# Altium PCB PCIe_to_M2E.PcbDoc (part 3 of 6) (continued)
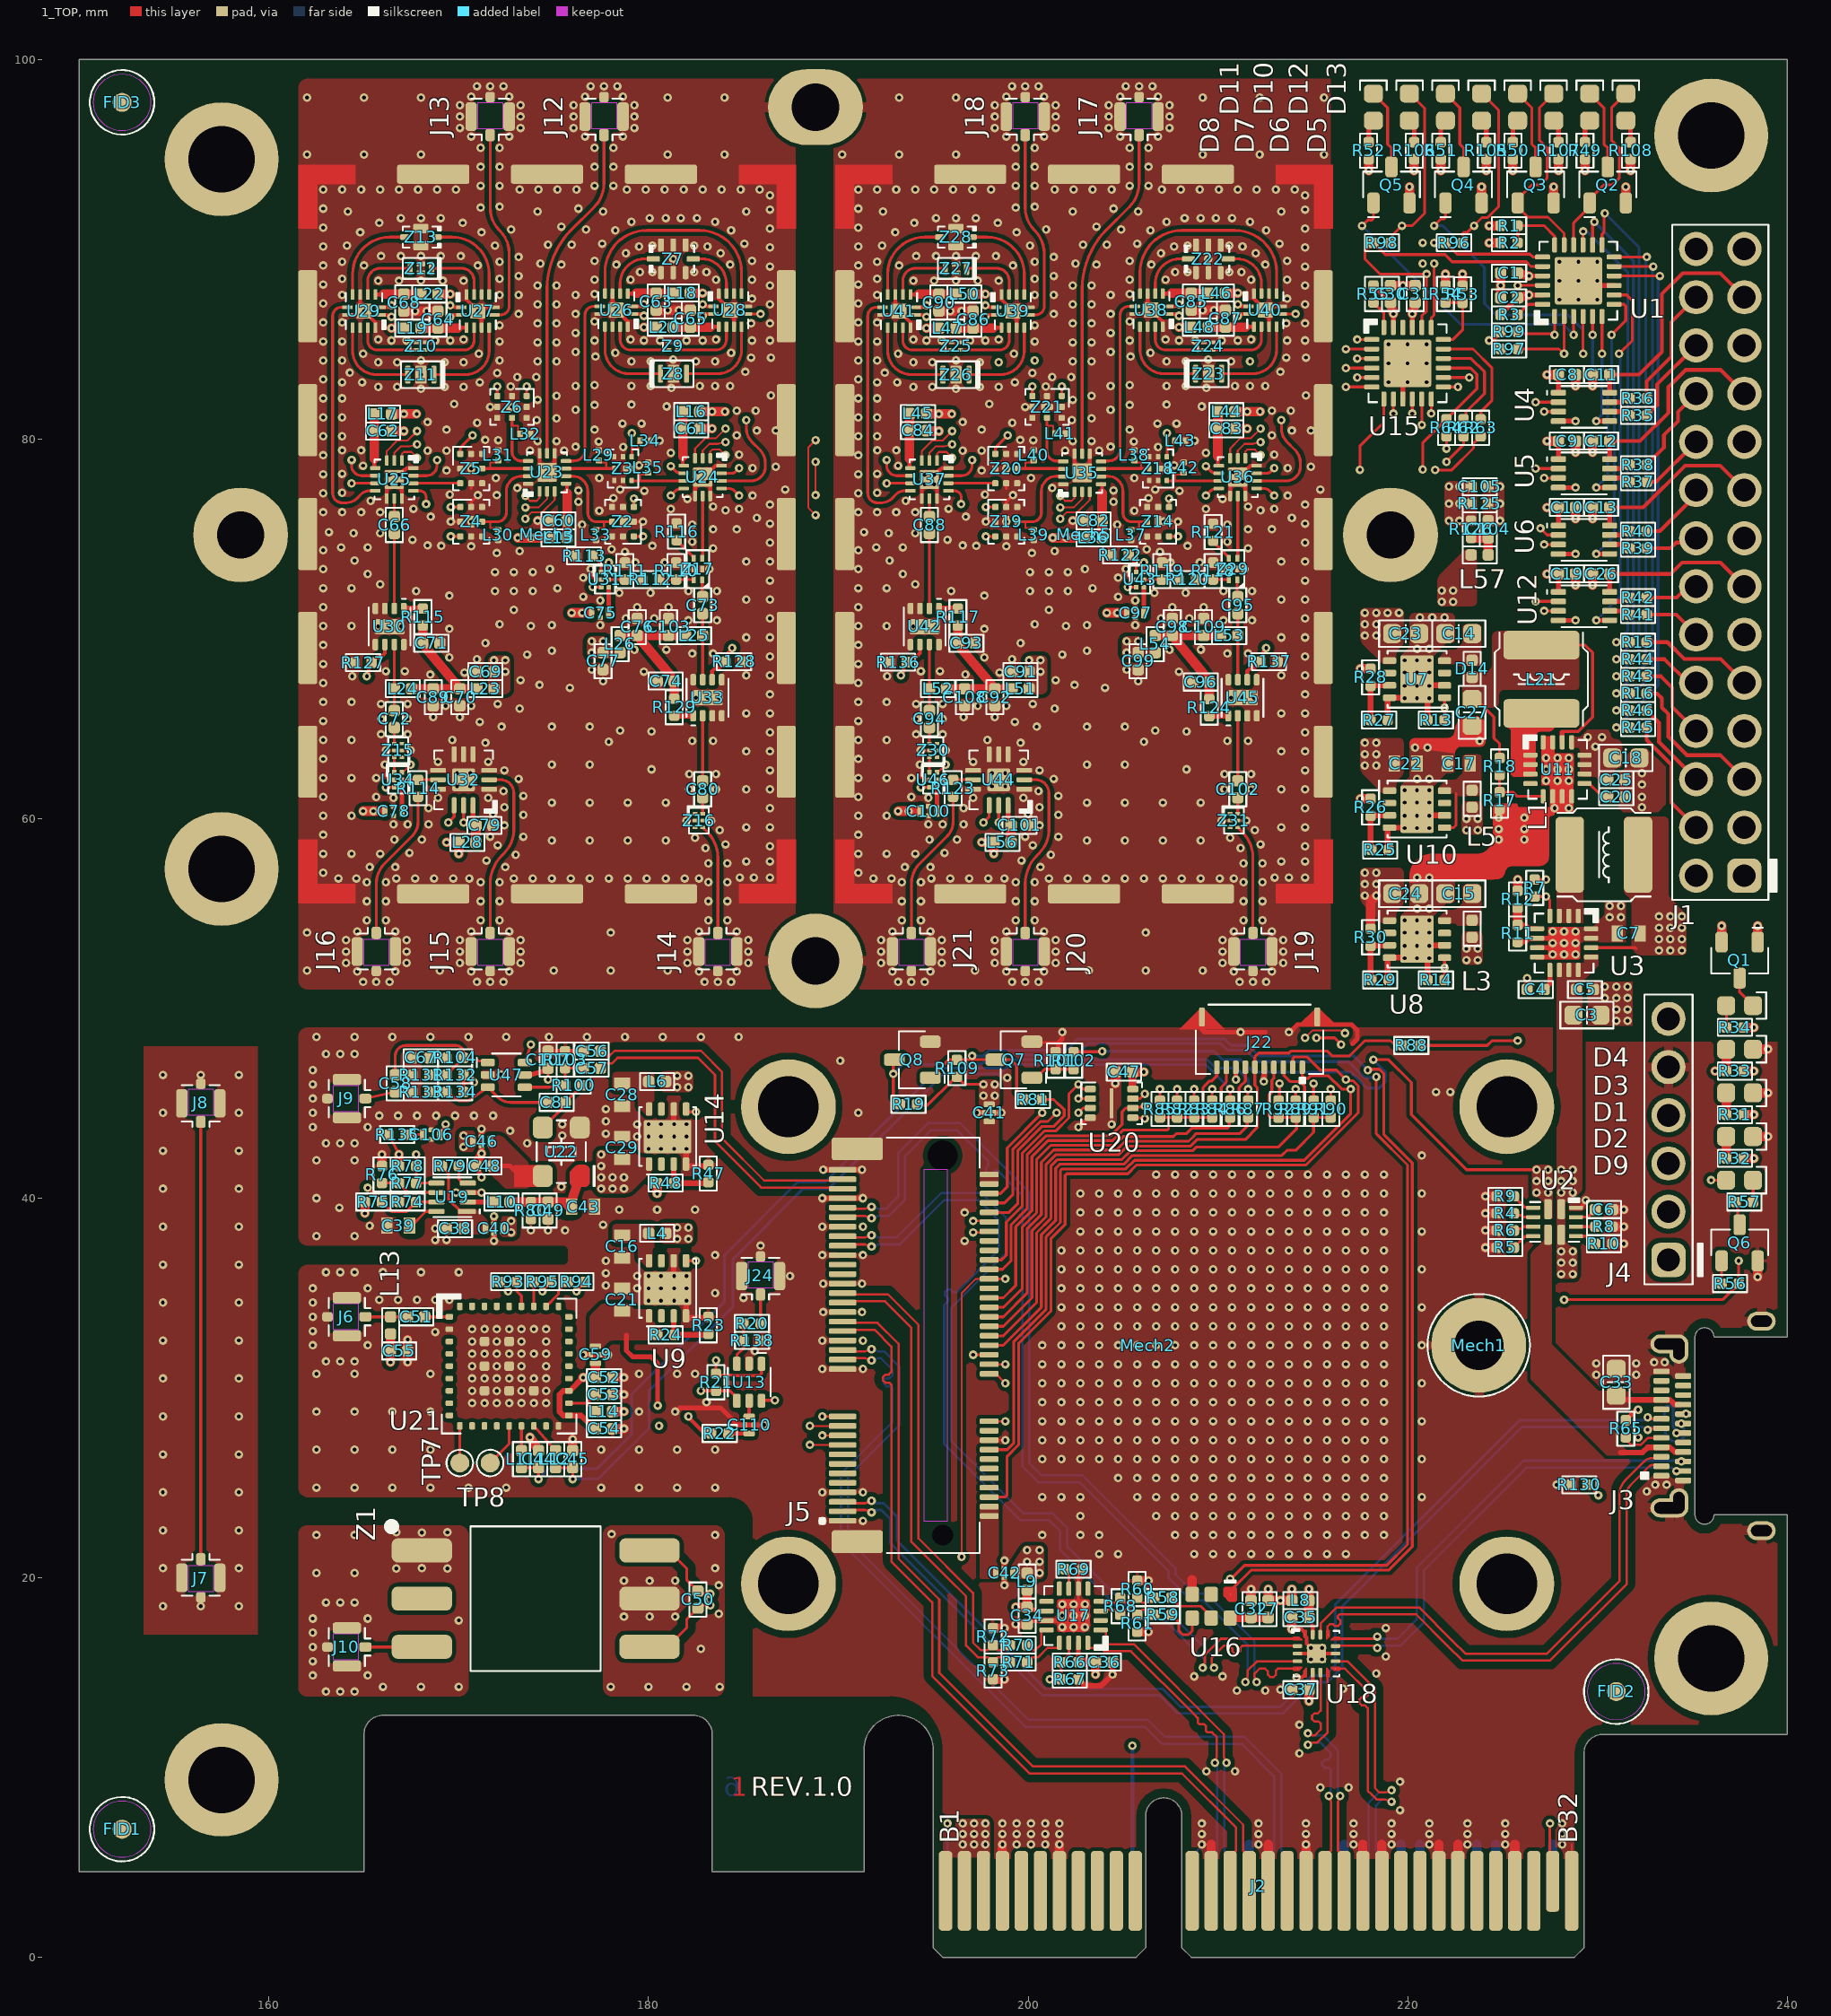
[diagram p0: 1_TOP view]
## Nets (pads, with @x,y where several pads share a name; then routed paths per layer and width w, separated by ;. In a path a pad name is that pad's centre, name@x,y a point inside that pad or via, vN(x,y) a via of type N, cw(c..) or ccw(c..) an arc to the next point about the centre after c; other vN are vias at no path point) (continued)
  other v1: 199.4,5.95 200.15,5.95 200.9,5.95 212.15,5.95 217.15,5.95 219.15,5.95 221.15,5.95 223.15,5.95 225.15,5.95 228.15,5.95 198.65,6.5 199.4,6.5 200.15,6.5 200.9,6.5 201.65,6.5 209.15,6.5 212.15,6.5 214.65,6.5 217.15,6.5 219.15,6.5 221.15,6.5 223.15,6.5 225.15,6.5 228.15,6.5 198.65,7.05 199.4,7.05 200.15,7.05 200.9,7.05 201.65,7.05 209.15,7.05 212.15,7.05 214.65,7.05 217.15,7.05 219.15,7.05 221.15,7.05 223.15,7.05 225.15,7.05 228.15,7.05 219.6,7.75 215.4,8.95 216.9,8.95 219.6,9.25 209.4,9.8 210.9,9.8 214.3,10.75 214.3,12.25 163,14 163.75,14 164.5,14 211,14.05 212.5,14.05 213.3,14.1 216.6,14.15 166,14.25 168,14.25 170,14.25 178,14.25 180,14.25 182,14.25 183.75,14.25 208.75,14.8 210.25,14.8 162.3,14.85 165.2,14.85 218.35,14.95 162.3,15.6 214.9,15.7 215.5,15.7 218.85,15.85 182.75,16.25 215.5,16.3 162.3,16.35 162.3,17.1 218.85,17.35 201.8,17.4 202.4,17.4 203,17.4 170,17.75 162.3,17.85 165.2,17.85 178.7,17.95 180.05,17.96 181.4,17.95 202.4,18 203,18 183.7,18.1 201.8,18.6 203,18.6 163,18.7 163.75,18.7 164.5,18.7 183.7,19.6 180.05,19.84 178.7,19.85 181.4,19.85 162.5,20.25 164.5,20.25 166.7,20.49 168.05,20.5 169.4,20.49 183.5,20.5 203.75,21.25 204.75,21.25 208.75,21.25 209.75,21.25 210.75,21.25 211.75,21.25 212.75,21.25 213.75,21.25 214.75,21.25 215.75,21.25 216.75,21.25 162.5,22.25 164.5,22.25 183.5,22.25 200.75,22.25 202.75,22.25 203.75,22.25 207.75,22.25 208.75,22.25 209.75,22.25 210.75,22.25 211.75,22.25 212.75,22.25 213.75,22.25 214.75,22.25 215.75,22.25 216.75,22.25 217.75,22.25 218.75,22.25 178.05,22.3 168.05,22.38 166.7,22.39 169.4,22.39 189.15,23 191.3,23 202.75,23.25 206.75,23.25 207.75,23.25 208.75,23.25 209.75,23.25 210.75,23.25 211.75,23.25 212.75,23.25 213.75,23.25 214.75,23.25 215.75,23.25 216.75,23.25 217.75,23.25 218.75,23.25 200.75,24.25 201.75,24.25 202.75,24.25 205.75,24.25 206.75,24.25 207.75,24.25 208.75,24.25 209.75,24.25 210.75,24.25 211.75,24.25 212.75,24.25 213.75,24.25 214.75,24.25 215.75,24.25 216.75,24.25 217.75,24.25 218.75,24.25 220.75,24.25 189.15,24.5 191.3,24.5 232.6,24.55 162.5,24.75 164.5,24.75 166.5,24.75 168.5,24.75 170.5,24.75 172.5,24.75 177.5,24.75 179.5,24.75 181.5,24.75 183.5,24.75 233.05,24.9 233.65,24.9 204.75,25.25 205.75,25.25 206.75,25.25 207.75,25.25 208.75,25.25 209.75,25.25 210.75,25.25 211.75,25.25 212.75,25.25 213.75,25.25 214.75,25.25 215.75,25.25 216.75,25.25 217.75,25.25 218.75,25.25 200.75,26.25 201.75,26.25 202.75,26.25 203.75,26.25 204.75,26.25 205.75,26.25 206.75,26.25 207.75,26.25 208.75,26.25 209.75,26.25 210.75,26.25 211.75,26.25 212.75,26.25 213.75,26.25 214.75,26.25 215.75,26.25 216.75,26.25 217.75,26.25 218.75,26.25 220.75,26.25 162.5,26.75 164.5,26.75 166.5,26.75 168.5,26.75 177.5,26.75 179.5,26.75 181.5,26.75 183.5,26.75 200.75,27.25 201.75,27.25 202.75,27.25 203.75,27.25 204.75,27.25 205.75,27.25 206.75,27.25 207.75,27.25 208.75,27.25 209.75,27.25 210.75,27.25 211.75,27.25 212.75,27.25 213.75,27.25 214.75,27.25 215.75,27.25 216.75,27.25 217.75,27.25 218.75,27.25 232.15,27.4 200.75,28.25 201.75,28.25 202.75,28.25 203.75,28.25 204.75,28.25 205.75,28.25 206.75,28.25 207.75,28.25 208.75,28.25 209.75,28.25 210.75,28.25 211.75,28.25 212.75,28.25 213.75,28.25 214.75,28.25 215.75,28.25 216.75,28.25 217.75,28.25 218.75,28.25 220.75,28.25 162.5,28.75 164.5,28.75 166.5,28.75 168.5,28.75 179.5,28.75 170.7,29.2 171.35,29.2 172,29.2 172.65,29.2 173.3,29.2 173.95,29.2 174.6,29.2 183.05,29.25 200.75,29.25 201.75,29.25 202.75,29.25 203.75,29.25 204.75,29.25 205.75,29.25 206.75,29.25 207.75,29.25 208.75,29.25 209.75,29.25 210.75,29.25 211.75,29.25 212.75,29.25 213.75,29.25 214.75,29.25 215.75,29.25 216.75,29.25 217.75,29.25 218.75,29.25 170.7,29.85 172,29.85 173.3,29.85 174.6,29.85 200.75,30.25 201.75,30.25 202.75,30.25 203.75,30.25 204.75,30.25 205.75,30.25 206.75,30.25 207.75,30.25 208.75,30.25 209.75,30.25 210.75,30.25 211.75,30.25 212.75,30.25 213.75,30.25 214.75,30.25 215.75,30.25 216.75,30.25 217.75,30.25 218.75,30.25 220.75,30.25 170.7,30.5 171.35,30.5 172,30.5 172.65,30.5 173.3,30.5 173.95,30.5 174.6,30.5 229.95,30.7 232.05,30.7 162.5,30.75 164.5,30.75 168.5,30.75 179.5,30.75 181.5,30.75 182.45,30.75 189.15,31 191.3,31 170.7,31.15 172,31.15 173.3,31.15 174.6,31.15 200.75,31.25 201.75,31.25 202.75,31.25 203.75,31.25 204.75,31.25 205.75,31.25 206.75,31.25 207.75,31.25 208.75,31.25 209.75,31.25 210.75,31.25 211.75,31.25 212.75,31.25 213.75,31.25 214.75,31.25 215.75,31.25 216.75,31.25 217.75,31.25 218.75,31.25 229.95,31.3 232.05,31.3 233,31.35 233.55,31.35 163,31.4 163.75,31.4 164.5,31.4 170.7,31.8 171.35,31.8 172,31.8 172.65,31.8 173.3,31.8 173.95,31.8 174.6,31.8 185.6,31.95 162.3,32.25 165.2,32.25 200.75,32.25 201.75,32.25 202.75,32.25 203.75,32.25 204.75,32.25 205.75,32.25 206.75,32.25 207.75,32.25 208.75,32.25 209.75,32.25 210.75,32.25 211.75,32.25 212.75,32.25 213.75,32.25 214.75,32.25 215.75,32.25 216.75,32.25 217.75,32.25 218.75,32.25 220.75,32.25 170.7,32.45 172,32.45 173.3,32.45 174.6,32.45 189.15,32.5 191.3,32.5 168.75,32.95 162.3,33 170.7,33.1 171.35,33.1 172,33.1 172.65,33.1 173.3,33.1 173.95,33.1 174.6,33.1 201.75,33.25 202.75,33.25 203.75,33.25 204.75,33.25 205.75,33.25 206.75,33.25 207.75,33.25 208.75,33.25 209.75,33.25 210.75,33.25 211.75,33.25 212.75,33.25 213.75,33.25 214.75,33.25 215.75,33.25 216.75,33.25 217.75,33.25 218.75,33.25 162.3,33.75 189.2,34 191.25,34 201.75,34.25 202.75,34.25 203.75,34.25 204.75,34.25 205.75,34.25 206.75,34.25 207.75,34.25 208.75,34.25 209.75,34.25 210.75,34.25 211.75,34.25 212.75,34.25 213.75,34.25 214.75,34.25 215.75,34.25 216.75,34.25 217.75,34.25 218.75,34.25 220.75,34.25 162.3,34.5 180,34.6 180.65,34.6 181.35,34.6 165.8,34.65 166.8,34.65 167.8,34.65 168.75,34.65 169.5,34.65 185,34.75 183.5,35 162.3,35.25 165.2,35.25 179.4,35.25 180,35.25 180.65,35.25 181.35,35.25 182,35.25 201.75,35.25 202.75,35.25 203.75,35.25 204.75,35.25 205.75,35.25 206.75,35.25 207.75,35.25 208.75,35.25 209.75,35.25 210.75,35.25 211.75,35.25 212.75,35.25 213.75,35.25 214.75,35.25 215.75,35.25 216.75,35.25 217.75,35.25 218.75,35.25 177.75,35.4 189.2,35.5 191.25,35.5 179.4,35.9 180,35.9 180.65,35.9 181.35,35.9 182,35.9 187.45,35.9 177.75,36.05 163,36.1 163.75,36.1 164.5,36.1 166,36.1 168,36.1 170,36.1 201.75,36.25 202.75,36.25 203.75,36.25 204.75,36.25 205.75,36.25 206.75,36.25 207.75,36.25 208.75,36.25 209.75,36.25 210.75,36.25 211.75,36.25 212.75,36.25 213.75,36.25 214.75,36.25 215.75,36.25 216.75,36.25 217.75,36.25 218.75,36.25 220.75,36.25 177.75,36.7 183.5,37 189.15,37 191.3,37 201.75,37.25 202.75,37.25 203.75,37.25 204.75,37.25 205.75,37.25 206.75,37.25 207.75,37.25 208.75,37.25 209.75,37.25 210.75,37.25 211.75,37.25 212.75,37.25 213.75,37.25 214.75,37.25 215.75,37.25 216.75,37.25 217.75,37.25 218.75,37.25 185.9,37.5 196.65,37.75 168.75,37.8 169.35,37.8 162.5,38 164.5,38 202.75,38.25 203.75,38.25 204.75,38.25 205.75,38.25 206.75,38.25 207.75,38.25 208.75,38.25 209.75,38.25 210.75,38.25 211.75,38.25 212.75,38.25 213.75,38.25 214.75,38.25 215.75,38.25 216.75,38.25 217.75,38.25 218.75,38.25 220.75,38.25 173.8,38.3 174.7,38.3 175.6,38.3 168.75,38.4 189.15,38.5 191.3,38.5 165.3,38.55 177.6,38.6 196.65,39.25 202.75,39.25 203.75,39.25 204.75,39.25 205.75,39.25 206.75,39.25 207.75,39.25 208.75,39.25 209.75,39.25 210.75,39.25 211.75,39.25 212.75,39.25 213.75,39.25 214.75,39.25 215.75,39.25 216.75,39.25 217.75,39.25 218.75,39.25 178.45,39.4 180.45,39.4 182.45,39.4 163.7,39.5 162.5,40 191.3,40 202.75,40.25 203.75,40.25 204.75,40.25 205.75,40.25 206.75,40.25 207.75,40.25 208.75,40.25 209.75,40.25 210.75,40.25 211.75,40.25 212.75,40.25 213.75,40.25 214.75,40.25 215.75,40.25 216.75,40.25 217.75,40.25 218.75,40.25 220.75,40.25 175.4,40.6 206.75,41.25 207.75,41.25 208.75,41.25 209.75,41.25 210.75,41.25 211.75,41.25 212.75,41.25 213.75,41.25 214.75,41.25 215.75,41.25 216.75,41.25 217.75,41.25 218.75,41.25 162.5,42 164.5,42 220.75,42.25 180,42.6 180.65,42.6 181.35,42.6 163,42.9 163.75,42.9 164.5,42.9 173.6,42.9 179.4,43.25 180,43.25 180.65,43.25 181.35,43.25 182,43.25 175.45,43.3 177.75,43.4 172.7,43.55 162.3,43.75 165.2,43.75 175.45,43.9 179.4,43.9 180,43.9 180.65,43.9 181.35,43.9 182,43.9 204.4,43.9 177.75,44.05 165.8,44.35 166.8,44.35 167.8,44.35 168.8,44.35 169.8,44.35 170.8,44.35 171.8,44.35 162.3,44.5 191.05,44.5 177.75,44.7 162.3,45.25 221.5,45.6 222.25,45.6 162.3,46 198.9,46.35 172.222,46.514 162.3,46.75 190.1,47.25 163,47.6 163.75,47.6 164.5,47.6 162.5,48.5 164.5,48.5 166.5,48.5 168.5,48.5 170.5,48.5 172.5,48.5 174.75,48.5 176.75,48.5 178.75,48.5 180.75,48.5 182.75,48.5 184.75,48.5 201.8,48.75 211.2,48.75 231,49.35 231.6,49.35 231,49.95 231.6,49.95 230.4,50.55 231,50.55 231.6,50.55 230.4,51.15 231,51.15 231.6,51.15 164.95,51.4 165.65,51.4 166.35,51.4 170.95,51.4 171.65,51.4 172.35,51.4 182.95,51.4 183.65,51.4 184.35,51.4 193.15,51.4 193.85,51.4 194.55,51.4 199.15,51.4 199.85,51.4 200.55,51.4 211.15,51.4 211.85,51.4 212.55,51.4 164.65,51.95 166.65,51.95 170.65,51.95 172.65,51.95 182.65,51.95 184.65,51.95 192.85,51.95 194.85,51.95 198.85,51.95 200.85,51.95 210.85,51.95 212.85,51.95 162,52 169,52 175,52 178,52 181,52 197.2,52 203.2,52 206.2,52 209.2,52 164.05,52.4 167.25,52.4 170.05,52.4 173.25,52.4 182.05,52.4 185.25,52.4 192.25,52.4 195.45,52.4 198.25,52.4 201.45,52.4 210.25,52.4 213.45,52.4 220.5,52.65 228.25,52.85 228.85,52.85 164.05,53 167.25,53 170.05,53 173.25,53 182.05,53 185.25,53 192.25,53 195.45,53 198.25,53 201.45,53 210.25,53 213.45,53 219.85,53.3 220.5,53.3 221.15,53.3 228.85,53.45 164.05,53.6 167.25,53.6 170.05,53.6 173.25,53.6 182.05,53.6 185.25,53.6 192.25,53.6 195.45,53.6 198.25,53.6 201.45,53.6 210.25,53.6 213.45,53.6 162,54 178,54 206.2,54 219.85,54 220.5,54 221.15,54 164.65,54.05 166.65,54.05 170.65,54.05 172.65,54.05 182.65,54.05 184.65,54.05 192.85,54.05 194.85,54.05 198.85,54.05 200.85,54.05 210.85,54.05 212.85,54.05 227.65,54.05 228.25,54.05 228.85,54.05 165.15,54.65 166.15,54.65 171.15,54.65 172.15,54.65 183.15,54.65 184.15,54.65 193.35,54.65 194.35,54.65 199.35,54.65 200.35,54.65 211.35,54.65 212.35,54.65 219.85,54.65 220.5,54.65 221.15,54.65 230.65,54.8 231.25,54.8 220.5,55.25 221.15,55.25 230.65,55.4 231.25,55.4 165.15,55.65 166.15,55.65 171.15,55.65 172.15,55.65 183.15,55.65 184.15,55.65 193.35,55.65 194.35,55.65 199.35,55.65 200.35,55.65 211.35,55.65 212.35,55.65 165.15,56.65 166.15,56.65 171.15,56.65 172.15,56.65 183.15,56.65 184.15,56.65 193.35,56.65 194.35,56.65 199.35,56.65 200.35,56.65 211.35,56.65 212.35,56.65 163.65,56.85 164.6,56.85 166.7,56.85 167.7,56.85 168.7,56.85 169.7,56.85 170.55,56.85 172.9,56.85 173.9,56.85 174.9,56.85 175.9,56.85 176.9,56.85 177.9,56.85 178.9,56.85 179.9,56.85 180.9,56.85 181.9,56.85 182.65,56.85 191.85,56.85 192.8,56.85 194.9,56.85 195.9,56.85 196.9,56.85 197.9,56.85 198.75,56.85 201.1,56.85 202.1,56.85 203.1,56.85 204.1,56.85 205.1,56.85 206.1,56.85 207.1,56.85 208.1,56.85 209.1,56.85 210.1,56.85 210.85,56.85 184.8,56.9 185.55,56.9 186.4,56.9 213,56.9 213.75,56.9 214.6,56.9 220.5,56.9 221.15,56.9 162.85,57.15 191.05,57.15 165.3,57.45 166.65,57.45 172.45,57.45 193.5,57.45 194.85,57.45 200.65,57.45 183.15,57.65 184.15,57.65 211.35,57.65 212.35,57.65 185.15,57.75 186.4,57.75 213.35,57.75 214.6,57.75 171.45,57.8 199.65,57.8 173,58.1 201.2,58.1 162.85,58.15 164.35,58.15 165.85,58.15 191.05,58.15 192.55,58.15 194.05,58.15 167.4,58.2 195.6,58.2 183,58.45 211.2,58.45 186.4,58.55 214.6,58.55 172.05,58.6 200.25,58.6 184.05,58.65 212.25,58.65 174.9,58.85 176.9,58.85 178.9,58.85 180.9,58.85 203.1,58.85 205.1,58.85 207.1,58.85 209.1,58.85 166.6,58.9 168.05,58.9 194.8,58.9 196.25,58.9 224.8,58.9 226.15,58.9 182.45,59 210.65,59 171.65,59.05 173.4,59.05 199.85,59.05 201.6,59.05 162.85,59.15 191.05,59.15 183.75,59.4 211.95,59.4 224.8,59.45 226.15,59.45 220.5,59.5 221.15,59.5 185.15,59.55 186.4,59.55 213.35,59.55 214.6,59.55 172.4,59.65 200.6,59.65 166.55,59.7 167.3,59.7 168.4,59.7 194.75,59.7 195.5,59.7 196.6,59.7 182,59.9 183.3,59.9 210.2,59.9 211.5,59.9 224.8,60.05 226.15,60.05 162.85,60.15 164.35,60.15 191.05,60.15 192.55,60.15 219.85,60.15 220.5,60.15 221.15,60.15 173.4,60.2 201.6,60.2 171.8,60.25 200,60.25 168.4,60.55 186.4,60.55 196.6,60.55 214.6,60.55 227.75,60.55 228.5,60.55 172.4,60.6 200.6,60.6 232.35,60.6 174.9,60.85 176.9,60.85 178.9,60.85 180.9,60.85 203.1,60.85 205.1,60.85 207.1,60.85 209.1,60.85 219.85,60.85 220.5,60.85 221.15,60.85 166.55,61.1 168.9,61.1 171.55,61.1 194.75,61.1 197.1,61.1 199.75,61.1 162.85,61.15 165.65,61.15 191.05,61.15 193.85,61.15 232.35,61.15 173.4,61.2 201.6,61.2 172.35,61.45 200.55,61.45 219.85,61.5 220.5,61.5 221.15,61.5 182.15,61.55 183.55,61.55 185.15,61.55 186.4,61.55 210.35,61.55 211.75,61.55 213.35,61.55 214.6,61.55 169.9,61.7 170.6,61.7 198.1,61.7 198.8,61.7 232.35,61.8 227.3,62 227.9,62 228.5,62 173.15,62.1 201.35,62.1 220.5,62.1 221.15,62.1 162.85,62.15 164.35,62.15 165.65,62.15 191.05,62.15 192.55,62.15 193.85,62.15 182.15,62.35 183.55,62.35 210.35,62.35 211.75,62.35 169.9,62.4 170.6,62.4 198.1,62.4 198.8,62.4 232.35,62.4 172.4,62.55 186.4,62.55 200.6,62.55 214.6,62.55 180.15,62.6 208.35,62.6 227.3,62.6 227.9,62.6 228.5,62.6 166.1,62.85 174.9,62.85 176.9,62.85 194.3,62.85 203.1,62.85 205.1,62.85 168.9,63 171.55,63 197.1,63 199.75,63 162.85,63.15 191.05,63.15 227.3,63.2 227.9,63.2 228.5,63.2 185.15,63.55 186.4,63.55 213.35,63.55 214.6,63.55 166.15,63.6 167.45,63.6 194.35,63.6 195.65,63.6 220.4,63.75 221.05,63.75 171.4,64 199.6,64 177.9,64.05 206.1,64.05 182.3,64.1 183.4,64.1 210.5,64.1 211.6,64.1 223.8,64.1 162.85,64.15 164.35,64.15 169.65,64.15 191.05,64.15 192.55,64.15 197.85,64.15 165.9,64.45 167.3,64.45 194.1,64.45 195.5,64.45 186.4,64.55 214.6,64.55 180.15,64.6 208.35,64.6 178.5,64.65 206.7,64.65 172.25,64.85 174.9,64.85 176.9,64.85 200.45,64.85 203.1,64.85 205.1,64.85 171.1,65.1 199.3,65.1 162.85,65.15 191.05,65.15 165.9,65.25 167.3,65.25 194.1,65.25 195.5,65.25 168.65,65.35 170.05,65.35 196.6,65.35 198.25,65.35 185.15,65.55 186.4,65.55 213.35,65.55 214.6,65.55 173.2,65.8 201.4,65.8 169.3,65.95 170.65,65.95 197.35,65.95 198.85,65.95 165.9,66.05 167.3,66.05 172.05,66.05 194.1,66.05 195.5,66.05 200.25,66.05 162.85,66.15 164.35,66.15 191.05,66.15 192.55,66.15 220.5,66.35 182.5,66.375 183.1,66.375 183.7,66.375 210.7,66.375 211.3,66.375 211.9,66.375 186.4,66.55 214.6,66.55 175.85,66.9 204.05,66.9 219.85,67 220.5,67 221.15,67 174.25,67.05 202.45,67.05 162.85,67.15 191.05,67.15 177.6,67.25 205.8,67.25 173.25,67.3 201.45,67.3 164.375,67.5 192.575,67.5 185.15,67.55 186.4,67.55 213.35,67.55 214.6,67.55 168.491,67.591 196.693,67.605 170.3,67.7 198.5,67.7 219.85,67.7 220.5,67.7 221.15,67.7 179.75,67.75 207.95,67.75 166.15,67.775 167.15,67.775 194.35,67.775 195.35,67.775 177,67.85 205.2,67.85 162.85,68.15 191.05,68.15 219.85,68.35 220.5,68.35 221.15,68.35 170.95,68.4 199.15,68.4 169.5,68.5 197.7,68.5 186.4,68.55 214.6,68.55 173.6,68.65 201.8,68.65 182.3,68.7 183.4,68.7 210.5,68.7 211.6,68.7 174.9,68.85 203.1,68.85 179.25,68.9 180.938,68.906 207.45,68.9 209.103,68.912 220.5,68.95 221.15,68.95 162.85,69.15 191.05,69.15 171.4,69.25 199.6,69.25 185.15,69.55 186.4,69.55 213.35,69.55 214.6,69.55 169.5,70 197.7,70 165.75,70.125 166.35,70.125 166.95,70.125 193.95,70.125 194.55,70.125 195.15,70.125 162.85,70.15 164.35,70.15 173.8,70.15 191.05,70.15 192.55,70.15 202,70.15 174.9,70.2 177.45,70.2 203.1,70.2 205.65,70.2 172.15,70.25 200.35,70.25 182.1,70.45 183.6,70.45 210.3,70.45 211.8,70.45 178.8,70.55 180.3,70.55 186.4,70.55 207,70.55 208.5,70.55 214.6,70.55 220.65,70.6 221.3,70.6 221.95,70.6 172.9,71 201.1,71 162.85,71.15 179.4,71.15 181.05,71.15 191.05,71.15 207.6,71.15 209.25,71.15 177.45,71.5 205.65,71.5 185.15,71.55 186.4,71.55 213.35,71.55 214.6,71.55 176.55,71.7 204.75,71.7 169.5,71.75 197.7,71.75 178.45,71.9 180.1,71.9 206.65,71.9 208.3,71.9 167.75,72 171.9,72 172.9,72 173.9,72 182.1,72 183.6,72 195.95,72 200.1,72 201.1,72 202.1,72 210.3,72 211.8,72 162.85,72.15 164.35,72.15 175.2,72.15 191.05,72.15 192.55,72.15 203.4,72.15 165.85,72.35 194.05,72.35 186.4,72.55 214.6,72.55 176.55,72.7 204.75,72.7 165.2,72.9 193.4,72.9 171.9,73 172.9,73 173.9,73 200.1,73 201.1,73 202.1,73 162.85,73.15 174.8,73.15 182,73.15 183.2,73.15 191.05,73.15 203,73.15 210.2,73.15 211.4,73.15 179.3,73.5 180.85,73.5 207.5,73.5 209.05,73.5 185.15,73.55 186.4,73.55 213.35,73.55 214.6,73.55 164.5,73.6 192.7,73.6 172,74 200.2,74 178.75,74.05 206.95,74.05 173.2,74.1 201.4,74.1 162.85,74.15 191.05,74.15 178.05,74.2 206.25,74.2 183.4,74.25 211.6,74.25 163.8,74.3 165.2,74.3 192,74.3 193.4,74.3 170.65,74.35 198.85,74.35 169.075,74.375 180.2,74.375 197.275,74.375 208.4,74.375 168.35,74.4 196.55,74.4 186.4,74.55 214.6,74.55 182.3,74.6 210.5,74.6 167.55,74.7 195.75,74.7 164.45,75.05 165.85,75.05 192.65,75.05 194.05,75.05 163.15,75.1 191.35,75.1 183.4,75.25 184.65,75.25 211.6,75.25 212.85,75.25 176.5,75.5 182.3,75.5 204.7,75.5 210.5,75.5 186.4,75.55 214.6,75.55 170.65,75.65 178.95,75.65 198.85,75.65 207.15,75.65 224.875,75.7 185.7,75.85 213.9,75.85 168.517,75.911 196.717,75.911 162.85,76.15 163.85,76.15 164.85,76.15 165.85,76.15 191.05,76.15 192.05,76.15 193.05,76.15 194.05,76.15 177.4,76.225 205.6,76.225 184.05,76.25 212.25,76.25 167.611,76.333 181.175,76.318 184.775,76.318 195.811,76.333 209.375,76.318 212.975,76.318 183.4,76.45 211.6,76.45 186.4,76.55 214.6,76.55 224.875,76.6 176.3,76.7 204.5,76.7 165.35,76.75 193.55,76.75 182.05,76.85 210.25,76.85 178.15,76.9 206.35,76.9 185.482,77.025 213.682,77.025 172,77.05 169.525,77.075 197.725,77.075 162.85,77.15 191.05,77.15 163.85,77.175 192.05,77.175 179.775,77.275 207.975,77.275 176.3,77.3 204.5,77.3 178.5,77.35 187.2,77.35 206.7,77.35 215.4,77.35 173.075,77.425 201.275,77.425 224.875,77.5 166.35,77.625 166.85,77.625 194.55,77.625 195.05,77.625 182.6,77.75 183.1,77.75 210.8,77.75 211.3,77.75 171.95,77.95 177.4,77.95 200.15,77.95 205.6,77.95 166.35,78.125 166.85,78.125 194.55,78.125 195.05,78.125 162.85,78.15 191.05,78.15 163.85,78.175 192.05,78.175 169.35,78.35 197.55,78.35 170.65,78.45 198.85,78.45 185.482,78.475 213.682,78.475 186.7,78.55 214.9,78.55 164.95,78.6 193.15,78.6 179.5,78.625 207.7,78.625 162.85,79.15 191.05,79.15 184.775,79.182 212.975,79.182 181.175,79.282 209.375,79.282 163.851,79.411 164.851,79.411 168.35,79.4 169.35,79.4 173.75,79.4 175.55,79.4 192.051,79.411 193.051,79.411 196.55,79.4 197.55,79.4 201.95,79.4 203.75,79.4 178.654,79.582 206.854,79.582 176.15,79.6 204.35,79.6 177.375,79.875 205.575,79.875 174.15,79.9 175.15,79.9 202.35,79.9 203.35,79.9 180.575,79.925 208.775,79.925 171.389,79.958 172.075,79.95 199.589,79.958 200.275,79.95 162.85,80.15 163.85,80.15 191.05,80.15 192.05,80.15 184.65,80.2 212.85,80.2 185.7,80.45 186.7,80.45 213.9,80.45 214.9,80.45 169.35,80.5 177.15,80.5 197.55,80.5 205.35,80.5 178.625,80.825 179.625,80.825 206.825,80.825 207.825,80.825 170.967,80.864 199.167,80.864 168.35,80.9 196.55,80.9 174.1,81 202.3,81 175.15,81.1 203.35,81.1 162.85,81.15 163.85,81.15 191.05,81.15 192.05,81.15 184.65,81.5 185.65,81.5 212.85,81.5 213.85,81.5 176.15,81.55 204.35,81.55 172.8,81.7 201,81.7 180.95,81.725 209.15,81.725 177.15,81.8 205.35,81.8 179.1,81.825 207.3,81.825 169.75,81.85 197.95,81.85 174.15,82.075 202.35,82.075 162.85,82.15 163.85,82.15 191.05,82.15 192.05,82.15 175.15,82.275 203.35,82.275 186.45,82.3 214.65,82.3 168,82.65 196.2,82.65 181.2,82.7 209.4,82.7 165.75,82.75 166.75,82.75 169.25,82.75 170.25,82.75 193.95,82.75 194.95,82.75 197.45,82.75 198.45,82.75 172.732,82.775 200.932,82.775 176.15,82.8 179.1,82.8 180.1,82.8 182.7,82.8 183.5,82.8 184.3,82.8 204.35,82.8 207.3,82.8 208.3,82.8 210.9,82.8 211.7,82.8 212.5,82.8 177.15,82.85 205.35,82.85 163.85,83 164.9,83 171.1,83 192.05,83 193.1,83 199.3,83 219,83 220,83 221,83 162.85,83.15 191.05,83.15 173.075,83.275 174.075,83.275 201.275,83.275 202.275,83.275 168,83.4 196.2,83.4 164.25,83.5 172.025,83.482 192.45,83.5 200.225,83.482 185.1,83.55 213.3,83.55 219,84 221,84 165.75,84.05 166.75,84.05 169.25,84.05 170.25,84.05 193.95,84.05 194.95,84.05 197.45,84.05 174.15,84.1 175.15,84.1 179.1,84.1 180.1,84.1 182.5,84.1 183.5,84.1 202.35,84.1 203.35,84.1 207.3,84.1 208.3,84.1 210.7,84.1 162.85,84.15 163.85,84.15 168,84.15 172.15,84.15 191.05,84.15 192.05,84.15 196.2,84.15 181.3,84.2 209.5,84.2 185.4,84.3 186.45,84.3 213.6,84.3 214.65,84.3 177.2,84.35 205.4,84.35 164.95,84.5 171.05,84.5 193.15,84.5 199.25,84.5 178.25,84.55 184.35,84.55 206.45,84.55 176.15,84.6 204.35,84.6 219,85 220,85 221,85 174.15,85.1 175.15,85.1 202.35,85.1 203.35,85.1 162.85,85.15 163.85,85.15 172.15,85.15 191.05,85.15 192.05,85.15 200.35,85.15 166.45,85.2 167.25,85.2 168.75,85.2 169.55,85.2 177.15,85.2 179.75,85.2 180.6,85.2 182,85.2 182.85,85.2 185.45,85.2 186.4,85.2 194.65,85.2 195.45,85.2 196.95,85.2 197.75,85.2 205.35,85.2 207.95,85.2 208.8,85.2 210.2,85.2 211.05,85.2 213.65,85.2 214.6,85.2 165.75,85.25 170.25,85.25 179.05,85.25 183.55,85.25 193.95,85.25 198.45,85.25 207.25,85.25 211.75,85.25 176.15,85.6 204.35,85.6 172.15,86 200.35,86 174.15,86.1 175.15,86.1 185.4,86.1 186.4,86.1 202.35,86.1 203.35,86.1 213.6,86.1 214.6,86.1 162.85,86.15 163.85,86.15 191.05,86.15 192.05,86.15 177.15,86.2 205.35,86.2 173.15,86.6 176.15,86.6 201.35,86.6 204.35,86.6 174.15,87.1 175.15,87.1 186.4,87.1 202.35,87.1 203.35,87.1 214.6,87.1 162.85,87.15 191.05,87.15 228,87.35 229,87.35 230,87.35 185.45,87.4 213.65,87.4 163.85,87.6 172.15,87.6 173.15,87.6 176.15,87.6 192.05,87.6 200.35,87.6 201.35,87.6 204.35,87.6 177.15,87.65 205.35,87.65 174.15,88.1 175.15,88.1 186.4,88.1 202.35,88.1 203.35,88.1 214.6,88.1 162.85,88.15 191.05,88.15 165.75,88.35 166.85,88.35 168,88.35 169.15,88.35 170.25,88.35 193.95,88.35 195.05,88.35 196.2,88.35 197.35,88.35 198.45,88.35 228,88.35 230,88.35 177.15,88.4 179.05,88.4 183.55,88.4 185.45,88.4 205.35,88.4 207.25,88.4 211.75,88.4 213.65,88.4 163.85,88.45 172.15,88.45 192.05,88.45 200.35,88.45 173.15,88.6 201.35,88.6 179.55,88.8 180.2,88.8 182.4,88.8 183.05,88.8 207.75,88.8 208.4,88.8 210.6,88.8 211.25,88.8 186.4,89.1 214.6,89.1 162.85,89.15 165,89.15 171,89.15 191.05,89.15 193.2,89.15 199.2,89.15 175.4,89.2 178.3,89.2 184.3,89.2 203.6,89.2 206.5,89.2 212.5,89.2 174.3,89.25 202.5,89.25 220.8,89.25 163.85,89.35 172.15,89.35 192.05,89.35 200.35,89.35 228,89.35 229,89.35 230,89.35 177.15,89.4 185.45,89.4 205.35,89.4 213.65,89.4 181.3,89.5 209.5,89.5 173.15,89.6 201.35,89.6 165.9,89.65 166.95,89.65 168,89.65 169.05,89.65 170.1,89.65 194.1,89.65 195.15,89.65 196.2,89.65 197.25,89.65 198.3,89.65 178.8,89.8 183.8,89.8 207,89.8 212,89.8 186.4,90.1 214.6,90.1 162.85,90.15 179.5,90.15 183.1,90.15 191.05,90.15 207.7,90.15 211.3,90.15 164.1,90.2 171.9,90.2 180.2,90.2 182.4,90.2 192.3,90.2 200.1,90.2 208.4,90.2 210.6,90.2 174.7,90.25 175.95,90.25 202.9,90.25 204.15,90.25 177.55,90.3 185.05,90.3 205.75,90.3 213.25,90.3 220.8,90.35 164.8,90.9 171.2,90.9 193,90.9 199.4,90.9 178.25,91 184.35,91 206.45,91 212.55,91 172.75,91.05 176.7,91.05 200.95,91.05 204.9,91.05 186.4,91.1 214.6,91.1 162.85,91.15 191.05,91.15 175.4,91.2 203.6,91.2 165.8,91.4 170.2,91.4 194,91.4 198.4,91.4 179.1,91.45 183.5,91.45 207.3,91.45 211.7,91.45 166.95,91.65 168,91.65 169.05,91.65 180.05,91.65 180.9,91.65 181.7,91.65 182.55,91.65 195.15,91.65 196.2,91.65 197.25,91.65 208.25,91.65 209.1,91.65 209.9,91.65 210.75,91.65 164.15,92 174.15,92 177.6,92 185.15,92 192.35,92 202.35,92 205.8,92 213.35,92 186.4,92.1 214.6,92.1 162.85,92.15 176.3,92.15 191.05,92.15 204.5,92.15 171.15,92.2 199.35,92.2 172.15,92.25 200.35,92.25 186.4,92.85 214.6,92.85 162.85,93.15 163.85,93.15 164.85,93.15 165.85,93.15 166.85,93.15 167.85,93.15 168.85,93.15 169.85,93.15 173.2,93.15 174.2,93.15 175.2,93.15 176.2,93.15 178.85,93.15 179.85,93.15 180.85,93.15 181.85,93.15 182.85,93.15 183.85,93.15 184.85,93.15 185.85,93.15 191.05,93.15 192.05,93.15 193.05,93.15 194.05,93.15 195.05,93.15 196.05,93.15 197.05,93.15 198.05,93.15 201.4,93.15 202.4,93.15 203.4,93.15 204.4,93.15 207.05,93.15 208.05,93.15 209.05,93.15 210.05,93.15 211.05,93.15 212.05,93.15 213.05,93.15 214.05,93.15 171.15,93.35 172.15,93.35 177.15,93.35 178.15,93.35 199.35,93.35 200.35,93.35 205.35,93.35 206.35,93.35 171.15,94.35 172.15,94.35 177.15,94.35 178.15,94.35 199.35,94.35 200.35,94.35 205.35,94.35 206.35,94.35 162,95 165,95 168,95 181,95 184,95 190.2,95 193.2,95 196.2,95 209.2,95 212.2,95 215.6,95 171.15,95.35 172.15,95.35 177.15,95.35 178.15,95.35 199.35,95.35 200.35,95.35 205.35,95.35 206.35,95.35 170.65,95.95 172.65,95.95 176.65,95.95 178.65,95.95 198.85,95.95 200.85,95.95 204.85,95.95 206.85,95.95 170.05,96.4 173.25,96.4 176.05,96.4 179.25,96.4 198.25,96.4 201.45,96.4 204.25,96.4 207.45,96.4 170.05,97 173.25,97 176.05,97 179.25,97 198.25,97 201.45,97 204.25,97 207.45,97 170.05,97.6 173.25,97.6 176.05,97.6 179.25,97.6 198.25,97.6 201.45,97.6 204.25,97.6 207.45,97.6 162,98 165,98 168,98 181,98 184,98 193.2,98 196.2,98 209.2,98 212.2,98 215.6,98 170.65,98.05 172.65,98.05 176.65,98.05 178.65,98.05 198.85,98.05 200.85,98.05 204.85,98.05 206.85,98.05 170.95,98.6 171.65,98.6 172.35,98.6 176.95,98.6 177.65,98.6 178.35,98.6 199.15,98.6 199.85,98.6 200.55,98.6 205.15,98.6 205.85,98.6 206.55,98.6
GPIO0: J5.38 J22.3 R90.1 R91.1 | length 30.9
  1_TOP w0.15: J5.38@197.95,32.25 198.7,32.25 200.7,34.25 200.7,38.075 201.45,38.825 201.45,41.58 201.661,41.79 205.044,41.79 205.504,42.25 213.364,42.25 213.639,42.525 214.1,42.525 215.05,43.475 R91.1@215.05,44.25 ; J22.3@213.45,46.9 213.487,46.863 213.487,46.463 213.8,46.15 214.316,46.15 214.575,45.891 214.575,44.725 R91.1@215.05,44.25 ; R90.1@215.95,44.25 R91.1@215.05,44.25
GPIO1: J5.40 J22.4 R89.1 R92.1 | length 29.2
  1_TOP w0.15: J5.40@197.95,32.75 198.7,32.75 200.45,34.5 200.45,38.179 201.2,38.929 201.2,41.683 201.557,42.04 204.94,42.04 205.4,42.5 208.673,42.5 208.873,42.7 213.2,42.7 214.15,43.65 214.15,44.2 R89.1@214.1,44.25 R92.1@213.25,44.25 ; J22.4@212.95,46.9 212.95,46.316 212.85,46.216 212.85,45.6 212.7,45.45 212.7,44.338 212.788,44.25 R92.1@213.2,44.25
GPIO2: J5.42 J22.6 R88.1 | length 34.4
  1_TOP w0.15: J5.42@197.95,33.25 198.7,33.25 200.2,34.75 200.2,38.282 200.95,39.032 200.95,41.787 201.454,42.29 204.77,42.29 205.23,42.75 208.569,42.75 208.91,43.09 211.45,43.09 212.075,43.715 212.075,45.841 211.95,45.966 J22.6@211.95,46.9 211.95,47.45 212.15,47.65 213.75,47.65 213.85,47.75 215.775,47.75 216.025,47.5 216.95,47.5 217.75,48.3 219.1,48.3 219.338,48.062 219.738,48.062 R88.1@219.75,48.05
GPIO3: J5.44 J22.7 R87.1 | length 24.8
  1_TOP w0.15: J5.44@197.95,33.75 198.7,33.75 199.95,35 199.95,38.386 200.7,39.136 200.7,41.89 201.35,42.54 204.667,42.54 205.126,43 208.466,43 208.75,43.284 208.75,43.312 208.838,43.4 211.15,43.4 211.55,43.8 211.55,44.3 211.125,44.725 211.125,44.873 211.125,45.825 211.2,45.9 211.2,45.916 211.45,46.166 J22.7@211.45,46.9
GPIO4: J5.46 J22.9 R86.1 | length 23.5
  1_TOP w0.15: J5.46@197.95,34.25 198.7,34.25 199.7,35.25 199.7,38.489 200.45,39.239 200.45,42.04 201.2,42.79 204.563,42.79 205.023,43.25 207.652,43.25 207.802,43.4 208.3,43.4 208.336,43.4 208.636,43.7 210.512,43.7 210.6,43.788 210.6,44.3 210.175,44.725 210.175,44.873 210.175,45.427 210.175,45.841 210.45,46.116 J22.9@210.45,46.9
GPIO5: J5.48 J22.10 R82.1 R83.1 R84.1 R85.1 | length 22.9
  1_TOP w0.1: 207.4,43.65 207.4,44.25
  1_TOP w0.15: J5.48@197.95,34.75 198.7,34.75 199.35,35.4 199.35,38.493 200.2,39.343 200.2,42.182 201.058,43.04 204.46,43.04 205.019,43.6 207.35,43.6 207.4,43.65 ; R85.1@206.95,44.25 207.4,44.25 R82.1@207.85,44.25 R83.1@208.75,44.25 209.225,44.25 ; R84.1@209.65,44.25 209.225,44.25 ; J22.10@209.95,46.9 209.938,46.888 209.938,46.438 209.677,46.177 209.561,46.177 209.3,45.916 209.225,45.841 209.225,44.25
GPIO6: J5.54 U6.2 U20.6 | length 62.8
  1_TOP w0.15: J5.54@197.95,36.25 198.65,36.25 199.1,36.7 199.1,38.596 199.95,39.446 199.95,42.286 200.955,43.29 204.356,43.29 204.95,43.884 204.95,44.55 205.15,44.75 U20.6@205.52,44.75 205.57,44.8 206.1,44.8 v1(206.15,44.85) ; v1(227,75.3) 227.35,74.95 U6.2@227.95,74.95
  3_Signal w0.1: v1(206.15,44.85) 206.85,44.85 207.15,44.55 217.1,44.55 218.8,46.25 218.8,48.1 222.55,51.85 222.55,52.287 222.525,52.312 222.525,52.675 222.125,53.075 222.125,65.275 222.325,65.475 222.325,68.398 224.15,70.223 224.15,73.3 226.15,75.3 226.867,75.3 v1@226.934,75.234
GPIO7: J5.56 U6.3 U20.1 | length 65.6
  1_TOP w0.15: J5.56@197.95,36.75 198.6,36.75 198.85,37 198.85,38.746 199.7,39.596 199.7,42.389 200.851,43.54 201.46,43.54 202.15,44.231 202.15,45.5 v1(202.65,46) 202.9,45.75 U20.1@203.28,45.75 ; v1(227.2,74.45) U6.3@227.95,74.45
  3_Signal w0.1: v1(202.65,46) 203.75,44.9 204.55,44.9 205.65,43.8 206.6,43.8 206.85,44.05 217.45,44.05 219.2,45.8 219.2,47.75 223.485,52.035 223.715,52.035 223.855,52.175 224.075,52.395 224.075,53.825 222.525,55.375 222.525,60.238 222.95,60.663 222.95,68.174 224.75,69.974 224.75,72.85 226.35,74.45 v1(227.2,74.45)
GPIO8: J5.32 U5.2 U20.2 | length 78.8
  1_TOP w0.12: J5.32@197.95,30.75 198.3,30.75 v1(198.8,30.25)
  1_TOP w0.15: v1(202.65,45.25) U20.2@203.28,45.25 ; v1(226.75,78.45) U5.2@227.95,78.45
  3_Signal w0.1: v1(198.8,30.25) 198.35,30.7 198.35,31.65 197.65,32.35 197.65,36.4 199.95,38.7 199.95,44.75 200.45,45.25 v1(202.65,45.25) 203.4,44.5 204.45,44.5 205.35,43.6 206.7,43.6 206.9,43.8 217.65,43.8 219.4,45.55 219.4,47.5 223.735,51.835 223.798,51.835 224.275,52.312 224.275,52.375 224.3,52.4 224.3,53.9 222.725,55.475 222.725,60.155 223.3,60.73 223.3,68.1 225.05,69.85 225.05,72.725 226.275,73.95 227.3,73.95 227.9,74.55 227.9,76.45 226.75,77.6 v1(226.75,78.45)
GPIO9: J5.34 U5.3 U20.3 | length 75.6
  1_TOP w0.12: J5.34@197.95,31.25 v1(198.8,31.25)
  1_TOP w0.15: v1(202.65,44.5) 202.9,44.75 U20.3@203.28,44.75 ; v1(227.2,77.95) U5.3@227.95,77.95
  3_Signal w0.1: v1(198.8,31.25) 198.8,31.7 197.95,32.55 197.95,36.2 200.25,38.5 200.25,44.6 200.6,44.95 202.2,44.95 v1(202.65,44.5) 203.75,43.4 206.85,43.4 207,43.55 217.8,43.55 219.65,45.4 219.65,47.4 224.55,52.3 224.55,54.025 224.2,54.375 224.2,66.2 225.35,67.35 225.35,72.6 226.3,73.55 227.45,73.55 228.35,74.45 228.35,76.45 227.225,77.575 227.225,77.925 v1(227.2,77.95)
GPIO10: J5.36 U4.2 U20.7 | length 77.2
  1_TOP w0.12: v1(197.1,31.75) J5.36@197.95,31.75
  1_TOP w0.15: U20.7@205.52,45.25 205.9,45.25 v1(206.15,45.5) ; v1(226.75,81.95) U4.2@227.95,81.95
  3_Signal w0.1: v1(197.1,31.75) 197.1,36.85 199.35,39.1 199.35,45.05 200.9,46.6 203,46.6 204.15,45.45 204.813,45.45 204.863,45.5 206.2,45.5 206.45,45.25 207.5,45.25 207.95,44.8 216.95,44.8 217.6,45.45 217.6,46.5 217.475,46.625 217.475,47.525 218.15,48.2 218.15,48.9 221.55,52.3 221.55,68.047 223.85,70.347 223.85,73.55 226,75.7 226,79.65 226.75,80.4 v1@226.75,81.75
GPIO11: J5.22 U4.3 U20.5 | length 82.4
  1_TOP w0.12: J5.22@197.95,28.25 v1(198.8,28.25)
  1_TOP w0.15: U20.5@205.52,44.25 205.545,44.225 206.125,44.225 v1(206.15,44.2) ; v1(227.2,81.45) U4.3@227.95,81.45
  3_Signal w0.1: v1(198.8,28.25) 198.75,28.25 198.05,28.95 198.05,31.45 197.35,32.15 197.35,36.6 199.65,38.9 199.65,44.9 201.15,46.4 202.8,46.4 204.025,45.175 205.163,45.175 206.138,44.2 206.245,44.2 206.345,44.3 217.25,44.3 219,46.05 219,47.9 222.75,51.65 222.75,52.37 222.725,52.395 222.725,53.175 222.325,53.575 222.325,60.321 222.65,60.646 222.65,68.299 224.45,70.099 224.45,73.025 226.225,74.8 227.03,74.8 227.375,75.145 227.375,75.475 226.3,76.55 226.3,79.55 227.2,80.45 v1@227.2,81.25
GPIO14: J5.68 U12.2 | length 57.4
  1_TOP w0.15: J5.68@197.95,39.75 198.75,39.75 199.2,40.2 199.2,42.596 200.644,44.04 201.04,44.04 v1(201.5,44.5) ; v1(226.75,71.45) U12.2@227.95,71.45
  3_Signal w0.1: v1(201.5,44.5) 202,44 202,43.75 202.45,43.3 203.567,43.3 203.667,43.2 206.933,43.2 207.033,43.3 218,43.3 219.9,45.2 219.9,47.35 224.8,52.25 224.8,54.2 224.425,54.575 224.425,65.975 225.65,67.2 225.65,70.35 v1(226.75,71.45)
GPIO15: J5.70 U12.3 | length 56.5
  1_TOP w0.15: J5.70@197.95,40.25 198.55,40.25 198.9,40.6 198.9,42.65 v1(200.75,44.5) ; v1(227.2,70.95) U12.3@227.95,70.95
  3_Signal w0.1: v1(200.75,44.5) 202.2,43.05 203.534,43.05 203.584,43 207.016,43 207.066,43.05 218.2,43.05 220.15,45 220.15,47.25 225.05,52.15 225.05,54.45 224.75,54.75 224.75,57.75 225.35,58.35 225.35,65.35 226.4,66.4 226.4,70.15 v1(227.2,70.95)
GPIO67_DIR: U1.7 U6.5 | length 15.2
  1_TOP w0.15: v1(230.75,85.5) 231.5,86.25 231.5,87.012 231.412,87.1 U1.7@230.885,87.1
  1_TOP w0.25: v1(229.95,73.95) U6.5@230.65,73.95
  6_BOTTOM w0.15: v1(229.95,73.95) 230.9,74.9 230.9,83.65 230.75,83.8 v1(230.75,85.5)
GPIO89_DIR: U1.6 U5.5 | length 10.1
  1_TOP w0.15: v1(230.25,84.5) U1.6@230.25,86.465
  1_TOP w0.25: v1(229.95,77.45) U5.5@230.65,77.45
  6_BOTTOM w0.15: v1(229.95,77.45) 230.55,78.05 230.55,83.45 230.25,83.75 v1(230.25,84.5)
GPIO_LED1#: Q5.1 U1.3 | length 16.1
  1_TOP w0.15: v1(217.6,91.25) 217.9,91.55 218.112,91.55 218.2,91.638 Q5.1@218.2,92.45 ; v1(228.75,85.5) U1.3@228.75,86.465
  6_BOTTOM w0.15: v1(217.6,91.25) 222.8,86.05 228.2,86.05 v1(228.75,85.5)
GPIO_LED2#: Q4.1 U1.4 | length 16
  1_TOP w0.15: v1(221.4,91.25) 221.75,91.6 221.912,91.6 222,91.688 Q4.1@222,92.45 ; v1(229.25,84.5) U1.4@229.25,86.465
  6_BOTTOM w0.15: v1(221.4,91.25) 221.85,91.25 224.05,89.05 224.05,87.15 224.65,86.55 228.45,86.55 229.25,85.75 v1(229.25,84.5)
GPIO_LED3#: D12.C Q3.1 U1.17 | length 11
  1_TOP w0.15: D12.C@227.7,98.21 226.95,97.46 226.95,95.75 227.35,95.35 227.35,93.75 227,93.4 226.55,93.4 225.8,92.65 Q3.1@225.8,92.45 225.8,92.25 226.35,91.7 227.4,91.7 228.25,90.85 U1.17@228.25,90.235
GPIO_LED4#: D13.C Q2.1 U1.16 | length 9.7
  1_TOP w0.15: U1.16@228.75,90.235 228.75,90.85 228.75,91.4 229.6,92.25 Q2.1@229.6,92.45 229.6,92.65 230.35,93.4 230.8,93.4 231.15,93.75 231.15,95.35 230.75,95.75 230.75,97.46 D13.C@231.5,98.21
GPIOAB_DIR: U1.5 U4.5 | length 6.5
  1_TOP w0.15: v1(229.75,85.5) U1.5@229.75,86.465
  1_TOP w0.25: v1(229.95,80.95) U4.5@230.65,80.95
  6_BOTTOM w0.15: v1(229.75,85.5) 229.75,83.85 230.25,83.35 230.25,81.286 229.95,80.986 v1(229.95,80.95)
GPIOCD_DIR: U1.8 U12.5 | length 19.5
  1_TOP w0.15: U1.8@230.885,87.6 231.55,87.6 231.85,87.3 231.85,85.2 v1(231.15,84.5)
  1_TOP w0.25: v1(229.95,70.45) U12.5@230.65,70.45
  6_BOTTOM w0.15: v1(229.95,70.45) 231.2,71.7 231.2,84.45 v1(231.15,84.5)
GPS_1PPS: R21.2 R56.1 R88.2 U13.4 | length 91.3
  1_TOP w0.15: v1(182.75,29.85) R21.2@183.55,29.85 184.3,29.85 184.65,29.5 U13.4@184.65,29.325 ; R88.2@220.623,48.05 224.2,48.05 224.45,48.3 v1(225.8,48.3) ; v1(228.25,34.65) 236.6,34.65 R56.1@237.45,35.5 v1(237.45,36.7)
  3_Signal w0.1: v1(182.75,29.85) 183.15,29.85 184.15,28.85 187.6,28.85 188.05,29.3 195.7,29.3 198.55,26.45 199.15,26.45 199.55,26.85 222.2,26.85 228.25,32.9 v1(228.25,34.65) ; v1@225.8,48.4 232.65,48.4 232.9,48.15 234.3,48.15 235.05,47.4 235.05,45.3 237.45,42.9 v1(237.45,36.7)
GPS_1PPS_I: R21.1 R93.1 U13.1 | length 16.9
  1_TOP w0.15: R93.1@172.15,35.6 172.6,35.15 v1(172.6,35.1) ; v1(183.55,31.45) R21.1@183.55,30.75 183.615,30.685 184.397,30.685 184.432,30.65 185.862,30.65 185.95,30.738 U13.1@185.95,31.275
  3_Signal w0.1: v1(172.6,35.1) 173.7,34 181,34 v1(183.55,31.45)